# Altium PCB Jetson AGX Xavier Carrier Board.PcbDoc (part 2 of 4)
Units mil, origin at the board's own origin, x right, y up, seen from the top; angles counter-clockwise.
Board outline 6000 x 4000 mil, 10 copper layers (Top Layer, Int1 (GND), Int2 (PWR), Int3 (Sign), Int4 (GND, Int5 (GND), Int6 (Sign), Int7 (PWR), Int8 (GND), Bottom Layer), stack 61.78 mil thick; 553 components, 749 nets, 2510 pads, 297 vias.
Unrouted connection lines stored in the file: 1324.
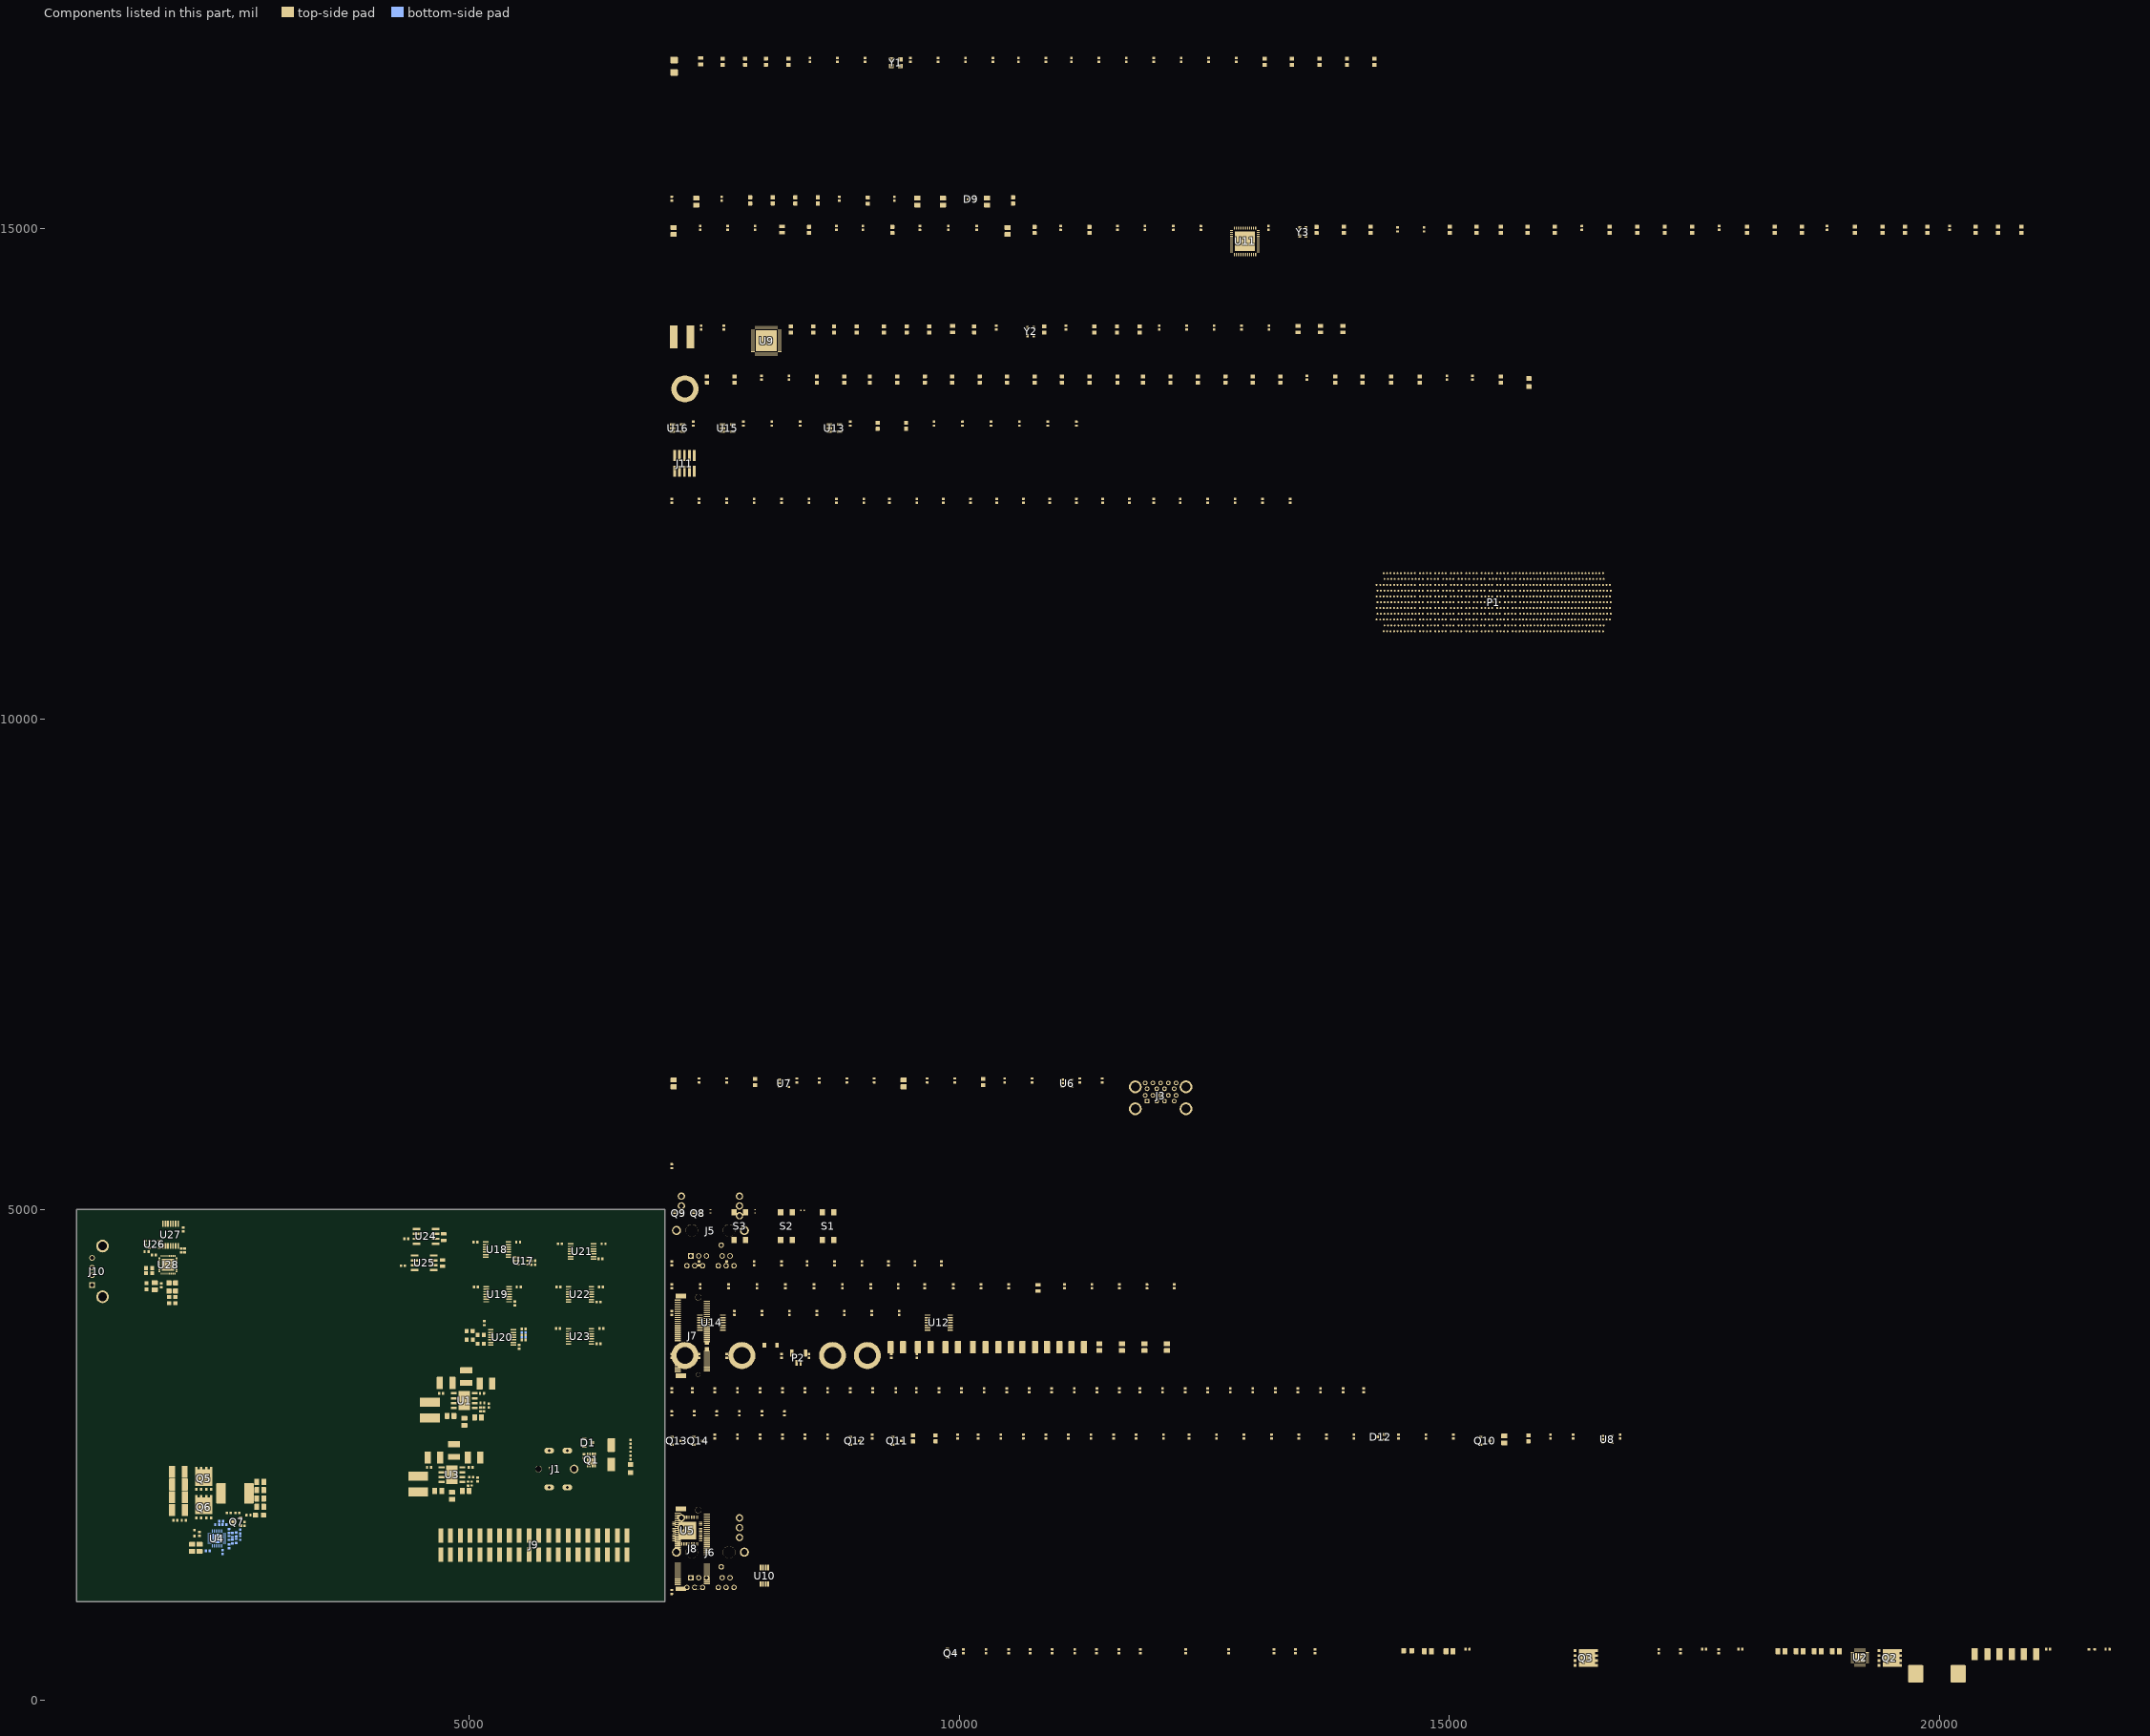
[diagram p10: the components of this part, seen from the top]

## Components (designator, comment, footprint, x,y, rotation, side; value= is the part's Value field where it differs from the comment) (continued)
R110 "RES_220Ω_0603" RES0603 15525,14955 r90 top value=220Ω
R111 "RES_0Ω_0603" RES0603 15275,14955 r90 top value=0Ω
R112 "RES_220Ω_0603" RES0603 15005,14955 r90 top value=220Ω
R113 "RES_10kΩ_0402_1%" RES0402 14470,14990 r90 top
R114 "RES_10kΩ_0402_1%" RES0402 14740,14990 r90 top
R115 "RES_10MΩ_0603" RES0603 14195,14955 r90 top value=10MΩ
R116 "RES_6.04kΩ_0603_1%" RES0603 13925,14955 r90 top value=6.04kΩ
R117 "RES_10kΩ_0402_1%" RES0402 9010,4450 r90 top
R118 "RES_10kΩ_0402_1%" RES0402 9280,4450 r90 top
R119 "RES_10kΩ_0402_1%" RES0402 9550,4450 r90 top
R120 "RES_10kΩ_0402_1%" RES0402 9820,4450 r90 top
R121 "RES_10kΩ_0402_1%" RES0402 8190,4450 r90 top
R122 "RES_10kΩ_0402_1%" RES0402 8450,4450 r90 top
R123 "RES_10kΩ_0402_1%" RES0402 8730,4450 r90 top
R124 "RES_10kΩ_0402_1%" RES0402 7910,4450 r90 top
R125 "RES_10kΩ_0402_1%" RES0402 7070,4450 r90 top
R126 "RES_10kΩ_0402_1%" RES0402 7350,4450 r90 top
R127 "RES_10kΩ_0402_1%" RES0402 7630,4450 r90 top
R128 "RES_10kΩ_0402" RES0805 8195,14990 r90 top
R129 "RES_1kΩ_0402_1%" RES0402 7360,15005 r90 top value=1kΩ
R130 "RES_1kΩ_0402_1%" RES0402 7640,15005 r90 top value=1kΩ
R131 "RES_1kΩ_0402_1%" RES0402 7920,15005 r90 top value=1kΩ
R132 "RES_10kΩ_0402_1%" RES0402 9390,3945 r90 top
R133 "RES_10kΩ_0402_1%" RES0402 8270,3945 r90 top
R134 "RES_10kΩ_0402_1%" RES0402 8550,3945 r90 top
R135 "RES_10kΩ_0402_1%" RES0402 8830,3945 r90 top
R136 "RES_10kΩ_0402_1%" RES0402 9110,3945 r90 top
R137 "RES_10kΩ_0402_1%" RES0402 7990,3945 r90 top
R138 "RES_10kΩ_0402_1%" RES0402 7710,3945 r90 top
R139 "RES_10kΩ_0402_1%" RES0402 7070,3945 r90 top
R140 "RES_220Ω_0603" RES0603 15525,13430 r90 top value=220Ω
R141 "RES_10kΩ_0402_1%" RES0402 14975,13480 r90 top value=10kΩ
R142 "RES_10kΩ_0402_1%" RES0402 15235,13480 r90 top value=10kΩ
R143 "RES_0Ω_0603" RES0603 13835,13430 r90 top value=0Ω
R144 "RES_10kΩ_0402_1%" RES0402 13545,13480 r90 top value=10kΩ
R145 "RES_0Ω_0603" RES0603 13275,13430 r90 top value=0Ω
R146 "RES_0Ω_0603" RES0603 12995,13430 r90 top value=0Ω
R147 "RES_0Ω_0603" RES0603 12715,13430 r90 top value=0Ω
R148 "RES_0Ω_0603" RES0603 12435,13430 r90 top value=0Ω
R149 "RES_0Ω_0603" RES0603 12155,13430 r90 top value=0Ω
R150 "RES_0Ω_0603" RES0603 11875,13430 r90 top value=0Ω
R151 "RES_0Ω_0603" RES0603 11615,13430 r90 top value=0Ω
R152 "RES_0Ω_0603" RES0603 11330,13430 r90 top value=0Ω
R153 "RES_0Ω_0603" RES0603 11050,13430 r90 top value=0Ω
R154 "RES_0Ω_0603" RES0603 10770,13430 r90 top value=0Ω
R155 "RES_0Ω_0603" RES0603 10490,13430 r90 top value=0Ω
R156 "RES_0Ω_0603" RES0603 10210,13430 r90 top value=0Ω
R157 "RES_0Ω_0603" RES0603 9930,13430 r90 top value=0Ω
R158 "RES_0Ω_0603" RES0603 9650,13430 r90 top value=0Ω
R159 "RES_0Ω_0603" RES0603 9370,13430 r90 top value=0Ω
R160 "RES_0Ω_0603" RES0603 9090,13430 r90 top value=0Ω
R161 "RES_0Ω_0603" RES0603 8830,13430 r90 top value=0Ω
R162 "RES_0Ω_0603" RES0603 8550,13430 r90 top value=0Ω
R163 "RES_10kΩ_0402_1%" RES0402 7985,13480 r90 top value=10kΩ
R164 "RES_10kΩ_0402_1%" RES0402 8265,13480 r90 top value=10kΩ
R165 "RES_0Ω_0603" RES0603 7710,13430 r90 top value=0Ω
R166 "RES_0Ω_0603" RES0603 7430,13430 r90 top value=0Ω
R167 "RES_10kΩ_0402_1%" RES0402 5465,4495 r270 top
R168 "RES_10kΩ_0402_1%" RES0402 5470,4039.68 r270 top value=10kΩ
R169 "RES_10kΩ_0402_1%" RES0402 5515,3599.68 r270 top value=10kΩ
R170 "RES_2.2kΩ_0402_5%" RES0402 5559.69,3745 r0 bottom value=2.2kΩ
R171 "RES_2.2kΩ_0402_5%" RES0402 5560,3720 r0 top value=2.2kΩ
R172 "RES_2.2kΩ_0402_5%" RES0402 5560,3695 r0 bottom value=2.2kΩ
R173 "RES_2.2kΩ_0402_5%" RES0402 5560.31,3670 r0 top value=2.2kΩ
R174 "RES_0Ω_0603" RES0603 4977.01,3760 r0 top value=0Ω
R175 "RES_0Ω_0603" RES0603 5092.01,3720 r0 top value=0Ω
R176 "RES_0Ω_0603" RES0603 4980,3670 r0 top value=0Ω
R177 "RES_0Ω_0603" RES0603 5092.01,3630 r0 top value=0Ω
R178 "RES_10kΩ_0402_1%" RES0402 6345,4495 r0 top value=10kΩ
R179 "RES_10kΩ_0402_1%" RES0402 6324.69,4055 r0 top value=10kΩ
R180 "RES_10kΩ_0402_1%" RES0402 6325.31,3630 r0 top value=10kΩ
R181 "RES_120Ω_0805_1%" RES0805 4745,4717.48 r90 top value=120Ω
R182 "RES_120Ω_0805_1%" RES0805 4735,4452.48 r90 top value=120Ω
R183 "RES_10kΩ_0402_1%" RES0402 1789.68,4535 r180 top
R184 "RES_0Ω_0603" RES0603 1712.01,4350 r0 top value=0Ω
R185 "RES_220Ω_0603" RES0603 2010,4105 r270 top value=220Ω
R186 "RES_220Ω_0603" RES0603 1945,4105 r270 top value=220Ω
R187 "RES_0Ω_0603" RES0603 1712.01,4400 r0 top value=0Ω
R188 "RES_10kΩ_0402_1%" RES0402 8470,3505 r90 top
R189 "RES_10kΩ_0402_1%" RES0402 8750,3505 r90 top
R190 "RES_10kΩ_0402_1%" RES0402 9030,3505 r90 top
R191 "RES_10kΩ_0402_1%" RES0402 9310,3505 r90 top
R192 "RES_10kΩ_0402_1%" RES0402 9570,3505 r90 top
R193 "RES_10kΩ_0402_1%" RES0402 7070,3505 r90 top
R194 "RES_10kΩ_0402_1%" RES0402 7350,3505 r90 top
R195 "RES_10kΩ_0402_1%" RES0402 7630,3505 r90 top
R196 "RES_10kΩ_0402_1%" RES0402 7910,3505 r90 top
R197 "RES_10kΩ_0402_1%" RES0402 8190,3505 r90 top
S1 "SW_TL3305A" SW_TL3305AF260QG 8665,4830 r0 top
S2 "SW_TL3305A" SW_TL3305AF260QG 8240,4830 r0 top
S3 "SW_TL3305A" SW_TL3305AF260QG 7765,4830 r0 top
U1 "TPS54339" VREG_LM5017MR/NOPB 4955,3050 r0 top
U2 "LM27403SQE/NOPB" QFN50P400X400X80-25N 19185,430.51 r0 top
U3 "TPS54339" VREG_LM5017MR/NOPB 4830,2295 r0 top
U4 "LM27403SQE/NOPB" QFN50P400X400X80-25N 2433.62,1644.21 r180 bottom
U5 "USB5744/2G" QFN40P700X700X100-57N 7230,1725 r0 top
U6 "AP2171DWG-7" AP2171DWG-7 11100,6285 r0 top
U7 "AP2171DWG-7" AP2171DWG-7 8215,6285 r0 top
U8 "AP2171DWG-7" AP2171DWG-7 16610,2655 r0 top
U9 "LAN7430-I/Y9X" LAN7430-I/Y9X-ND 8035,13855 r0 top
U10 "93AA66AT-I/MS" SOP65P490X110-8N 8015,1265 r90 top
U11 "KSZ9131RNXI" KSZ9131RNXI 12915,14870 r0 top
U12 "LSF0204QPWRQ1" 14-TSSOP 9795,3845 r0 top
U13 "IC_BUFFER" SOT23-5 8730,12965 r0 top
U14 "LSF0204QPWRQ1" 14-TSSOP 7475,3845 r0 top
U15 "IC_BUFFER" SOT23-5 7640,12965 r0 top
U16 "IC_BUFFER" SOT23-5 7130,12965 r0 top
U17 "TPS3808G33MDBVREP" TPS3808G33MDBVREP 5554.75,4475 r0 top
U18 "LSF0204QPWRQ1" 14-TSSOP 5290,4590 r0 top
U19 "LSF0204QPWRQ1" 14-TSSOP 5295,4135 r0 top
U20 "LSF0204QPWRQ1" 14-TSSOP 5340,3695 r0 top
U21 "LSF0204QPWRQ1" 14-TSSOP 6156.25,4571.18 r0 top
U22 "LSF0204QPWRQ1" 14-TSSOP 6133.75,4133.23 r0 top
U23 "LSF0204QPWRQ1" 14-TSSOP 6133.75,3705.59 r0 top
U24 "TCAN332DR" SOIC127P599X175-8N 4565,4725 r0 top
U25 "TCAN332DR" SOIC127P599X175-8N 4547.24,4455 r0 top
U26 "TPS3808G33MDBVREP" TPS3808G33MDBVREP 1795,4645 r180 top
U27 "LSF0204QPWRQ1" SOP65P640X120-14N 1960,4740 r270 top
U28 "FT232RQ-REEL" FT232RQ-REEL_FTD 1935,4435 r270 top
Y1 "CRYSTAL_25MHZ_20PF" XTAL_ECS-250-20-33-CKM-TR 9355,16690 r0 top
Y2 "ASTMLPD-18-25.000MHZ-LJ-E-T" ASTMLPE_ABR 10730,13950 r0 top value=25MHz
Y3 "ASTMLPD-18-25.000MHZ-LJ-E-T" ASTMLPE_ABR 13505,14965 r0 top value=25MHz

## Footprints (in the part's own frame and the unit in brackets; to place one, negate y for a bottom-side part, rotate by r counter-clockwise, add the part's x,y. Pads: shape width x height; smd on the part's side, far side on the other; paste and mask are expansions set on the pad)
14-TSSOP [mil]
  rect 55.5x14 smd paste+0 mask+0: 1(-116.25,76.77) 2(-116.25,51.18) 3(-116.25,25.59) 4(-116.25,0) 5(-116.25,-25.59) 6(-116.25,-51.18) 7(-116.25,-76.77) 8(116.25,-76.77) 9(116.25,-51.18) 10(116.25,-25.59) 11(116.25,0) 12(116.25,25.59) 13(116.25,51.18) 14(116.25,76.77)
  silkscreen extent -94,-106 164,106, body extent -138,-138 138,138, height 39
203456-0003 [mm]
  round 0.5 smd: A3(-28.6,-7.5) A4(-27.7,-7.5) A5(-26.8,-7.5) A6(-25.9,-7.5) A7(-25,-7.5) A8(-24.1,-7.5) A9(-23.2,-7.5) A10(-22.3,-7.5) A11(-21.4,-7.5) A12(-20.5,-7.5) A13(-19.2,-7.5) A14(-18.3,-7.5) A15(-17.4,-7.5) A16(-16.5,-7.5) A17(-15.2,-7.5) A18(-14.3,-7.5) A19(-13.4,-7.5) A20(-12.5,-7.5) A21(-11.2,-7.5) A22(-10.3,-7.5) A23(-9.4,-7.5) A24(-8.5,-7.5) A25(-7.2,-7.5) A26(-6.3,-7.5) A27(-5.4,-7.5) A28(-4.5,-7.5) A29(-3.2,-7.5) A30(-2.3,-7.5) A31(-1.4,-7.5) A32(-0.5,-7.5) A33(0.8,-7.5) A34(1.7,-7.5) A35(2.6,-7.5) A36(3.5,-7.5) A37(4.8,-7.5) A38(5.7,-7.5) A39(6.6,-7.5) A40(7.5,-7.5) A41(8.4,-7.5) A42(9.3,-7.5) A43(10.2,-7.5) A44(11.1,-7.5) A45(12,-7.5) A46(12.9,-7.5) A47(13.8,-7.5) A48(14.7,-7.5) A49(15.6,-7.5) A50(16.5,-7.5) A51(17.4,-7.5) A52(18.3,-7.5) A53(19.2,-7.5) A54(20.1,-7.5) A55(21,-7.5) A56(21.9,-7.5) A57(22.8,-7.5) A58(23.7,-7.5) A59(24.6,-7.5) A60(25.5,-7.5) A61(26.4,-7.5) A62(27.3,-7.5) A63(28.2,-7.5) B3(-28.4,-6) B4(-27.5,-6) B5(-26.6,-6) B6(-25.7,-6) B7(-24.8,-6) B8(-23.9,-6) B9(-23,-6) B10(-22.1,-6) B11(-21.2,-6) B12(-20.3,-6) B13(-19.4,-6) B14(-18.5,-6) B15(-17.2,-6) B16(-16.3,-6) B17(-15.4,-6) B18(-14.5,-6) B19(-13.2,-6) B20(-12.3,-6) B21(-11.4,-6) B22(-10.5,-6) B23(-9.2,-6) B24(-8.3,-6) B25(-7.4,-6) B26(-6.5,-6) B27(-5.2,-6) B28(-4.3,-6) B29(-3.4,-6) B30(-2.5,-6) B31(-1.2,-6) B32(-0.3,-6) B33(0.6,-6) B34(1.5,-6) B35(2.8,-6) B36(3.7,-6) B37(4.6,-6) B38(5.5,-6) B39(6.8,-6) B40(7.7,-6) B41(8.6,-6) B42(9.5,-6) B43(10.4,-6) B44(11.3,-6) B45(12.2,-6) B46(13.1,-6) B47(14,-6) B48(14.9,-6) B49(15.8,-6) B50(16.7,-6) B51(17.6,-6) B52(18.5,-6) B53(19.4,-6) B54(20.3,-6) B55(21.2,-6) B56(22.1,-6) B57(23,-6) B58(23.9,-6) B59(24.8,-6) B60(25.7,-6) B61(26.6,-6) B62(27.5,-6) B63(28.4,-6) C1(-30.4,-4.5) C2(-29.5,-4.5) C3(-28.6,-4.5) C4(-27.7,-4.5) C5(-26.8,-4.5) C6(-25.9,-4.5) C7(-25,-4.5) C8(-24.1,-4.5) C9(-23.2,-4.5) C10(-22.3,-4.5) C11(-21.4,-4.5) C12(-20.5,-4.5) C13(-19.2,-4.5) C14(-18.3,-4.5) C15(-17.4,-4.5) C16(-16.5,-4.5) C17(-15.2,-4.5) C18(-14.3,-4.5) C19(-13.4,-4.5) C20(-12.5,-4.5) C21(-11.2,-4.5) C22(-10.3,-4.5) C23(-9.4,-4.5) C24(-8.5,-4.5) C25(-7.2,-4.5) C26(-6.3,-4.5) C27(-5.4,-4.5) C28(-4.5,-4.5) C29(-3.2,-4.5) C30(-2.3,-4.5) C31(-1.4,-4.5) C32(-0.5,-4.5) C33(0.8,-4.5) C34(1.7,-4.5) C35(2.6,-4.5) C36(3.5,-4.5) C37(4.8,-4.5) C38(5.7,-4.5) C39(6.6,-4.5) C40(7.5,-4.5) C41(8.4,-4.5) C42(9.3,-4.5) C43(10.2,-4.5) C44(11.1,-4.5) C45(12,-4.5) C46(12.9,-4.5) C47(13.8,-4.5) C48(14.7,-4.5) C49(15.6,-4.5) C50(16.5,-4.5) C51(17.4,-4.5) C52(18.3,-4.5) C53(19.2,-4.5) C54(20.1,-4.5) C55(21,-4.5) C56(21.9,-4.5) C57(22.8,-4.5) C58(23.7,-4.5) C59(24.6,-4.5) C60(25.5,-4.5) C61(26.4,-4.5) C62(27.3,-4.5) C63(28.2,-4.5) C64(29.1,-4.5) C65(30,-4.5) D1(-30.2,-3) D2(-29.3,-3) D3(-28.4,-3) D4(-27.5,-3) D5(-26.6,-3) D6(-25.7,-3) D7(-24.8,-3) D8(-23.9,-3) D9(-23,-3) D10(-22.1,-3) D11(-21.2,-3) D12(-20.3,-3) D13(-19.4,-3) D14(-18.5,-3) D15(-17.2,-3) D16(-16.3,-3) D17(-15.4,-3) D18(-14.5,-3) D19(-13.2,-3) D20(-12.3,-3) D21(-11.4,-3) D22(-10.5,-3) D23(-9.2,-3) D24(-8.3,-3) D25(-7.4,-3) D26(-6.5,-3) D27(-5.2,-3) D28(-4.3,-3) D29(-3.4,-3) D30(-2.5,-3) D31(-1.2,-3) D32(-0.3,-3) D33(0.6,-3) D34(1.5,-3) D35(2.8,-3) D36(3.7,-3) D37(4.6,-3) D38(5.5,-3) D39(6.8,-3) D40(7.7,-3) D41(8.6,-3) D42(9.5,-3) D43(10.4,-3) D44(11.3,-3) D45(12.2,-3) D46(13.1,-3) D47(14,-3) D48(14.9,-3) D49(15.8,-3) D50(16.7,-3) D51(17.6,-3) D52(18.5,-3) D53(19.4,-3) D54(20.3,-3) D55(21.2,-3) D56(22.1,-3) D57(23,-3) D58(23.9,-3) D59(24.8,-3) D60(25.7,-3) D61(26.6,-3) D62(27.5,-3) D63(28.4,-3) D64(29.3,-3) D65(30.2,-3) E1(-30.4,-1.5) E2(-29.5,-1.5) E3(-28.6,-1.5) E4(-27.7,-1.5) E5(-26.8,-1.5) E6(-25.9,-1.5) E7(-25,-1.5) E8(-24.1,-1.5) E9(-23.2,-1.5) E10(-22.3,-1.5) E11(-21.4,-1.5) E12(-20.5,-1.5) E13(-19.2,-1.5) E14(-18.3,-1.5) E15(-17.4,-1.5) E16(-16.5,-1.5) E17(-15.2,-1.5) E18(-14.3,-1.5) E19(-13.4,-1.5) E20(-12.5,-1.5) E21(-11.2,-1.5) E22(-10.3,-1.5) E23(-9.4,-1.5) E24(-8.5,-1.5) E25(-7.2,-1.5) E26(-6.3,-1.5) E27(-5.4,-1.5) E28(-4.5,-1.5) E29(-3.2,-1.5) E30(-2.3,-1.5) E31(-1.4,-1.5) E32(-0.5,-1.5) E33(0.8,-1.5) E34(1.7,-1.5) E35(2.6,-1.5) E36(3.5,-1.5) E37(4.8,-1.5) E38(5.7,-1.5) E39(6.6,-1.5) E40(7.5,-1.5) E41(8.4,-1.5) E42(9.3,-1.5) E43(10.2,-1.5) E44(11.1,-1.5) E45(12,-1.5) E46(12.9,-1.5) E47(13.8,-1.5) E48(14.7,-1.5) E49(15.6,-1.5) E50(16.5,-1.5) E51(17.4,-1.5) E52(18.3,-1.5) E53(19.2,-1.5) E54(20.1,-1.5) E55(21,-1.5) E56(21.9,-1.5) E57(22.8,-1.5) E58(23.7,-1.5) E59(24.6,-1.5) E60(25.5,-1.5) E61(26.4,-1.5) E62(27.3,-1.5) E63(28.2,-1.5) E64(29.1,-1.5) E65(30,-1.5) F1(-30.2,0) F2(-29.3,0) F3(-28.4,0) F4(-27.5,0) F5(-26.6,0) F6(-25.7,0) F7(-24.8,0) F8(-23.9,0) F9(-23,0) F10(-22.1,0) F11(-21.2,0) F12(-20.3,0) F13(-19.4,0) F14(-18.5,0) F15(-17.2,0) F16(-16.3,0) F17(-15.4,0) F18(-14.5,0) F19(-13.2,0) F20(-12.3,0) F21(-11.4,0) F22(-10.5,0) F23(-9.2,0) F24(-8.3,0) F25(-7.4,0) F26(-6.5,0) F27(-5.2,0) F28(-4.3,0) F29(-3.4,0) F30(-2.5,0) F31(-1.2,0) F32(-0.3,0) F33(0.6,0) F34(1.5,0) F35(2.8,0) F36(3.7,0) F37(4.6,0) F38(5.5,0) F39(6.8,0) F40(7.7,0) F41(8.6,0) F42(9.5,0) F43(10.4,0) F44(11.3,0) F45(12.2,0) F46(13.1,0) F47(14,0) F48(14.9,0) F49(15.8,0) F50(16.7,0) F51(17.6,0) F52(18.5,0) F53(19.4,0) F54(20.3,0) F55(21.2,0) F56(22.1,0) F57(23,0) F58(23.9,0) F59(24.8,0) F60(25.7,0) F61(26.6,0) F62(27.5,0) F63(28.4,0) F64(29.3,0) F65(30.2,0) G1(-30.4,1.5) G2(-29.5,1.5) G3(-28.6,1.5) G4(-27.7,1.5) G5(-26.8,1.5) G6(-25.9,1.5) G7(-25,1.5) G8(-24.1,1.5) G9(-23.2,1.5) G10(-22.3,1.5) G11(-21.4,1.5) G12(-20.5,1.5) G13(-19.2,1.5) G14(-18.3,1.5) G15(-17.4,1.5) G16(-16.5,1.5) G17(-15.2,1.5) G18(-14.3,1.5) G19(-13.4,1.5) G20(-12.5,1.5) G21(-11.2,1.5) G22(-10.3,1.5) G23(-9.4,1.5) G24(-8.5,1.5) G25(-7.2,1.5) G26(-6.3,1.5) G27(-5.4,1.5) G28(-4.5,1.5) G29(-3.2,1.5) G30(-2.3,1.5) G31(-1.4,1.5) G32(-0.5,1.5) G33(0.8,1.5) G34(1.7,1.5) G35(2.6,1.5) G36(3.5,1.5) G37(4.8,1.5) G38(5.7,1.5) G39(6.6,1.5) G40(7.5,1.5) G41(8.4,1.5) G42(9.3,1.5) G43(10.2,1.5) G44(11.1,1.5) G45(12,1.5) G46(12.9,1.5) G47(13.8,1.5) G48(14.7,1.5) G49(15.6,1.5) G50(16.5,1.5) G51(17.4,1.5) G52(18.3,1.5) G53(19.2,1.5) G54(20.1,1.5) G55(21,1.5) G56(21.9,1.5) G57(22.8,1.5) G58(23.7,1.5) G59(24.6,1.5) G60(25.5,1.5) G61(26.4,1.5) G62(27.3,1.5) G63(28.2,1.5) G64(29.1,1.5) G65(30,1.5) H1(-30.2,3) H2(-29.3,3) H3(-28.4,3) H4(-27.5,3) H5(-26.6,3) H6(-25.7,3) H7(-24.8,3) H8(-23.9,3) H9(-23,3) H10(-22.1,3) H11(-21.2,3) H12(-20.3,3) H13(-19.4,3) H14(-18.5,3) H15(-17.2,3) H16(-16.3,3) H17(-15.4,3) H18(-14.5,3) H19(-13.2,3) H20(-12.3,3) H21(-11.4,3) H22(-10.5,3) H23(-9.2,3) H24(-8.3,3) H25(-7.4,3) H26(-6.5,3) H27(-5.2,3) H28(-4.3,3) H29(-3.4,3) H30(-2.5,3) H31(-1.2,3) H32(-0.3,3) H33(0.6,3) H34(1.5,3) H35(2.8,3) H36(3.7,3) H37(4.6,3) H38(5.5,3) H39(6.8,3) H40(7.7,3) H41(8.6,3) H42(9.5,3) H43(10.4,3) H44(11.3,3) H45(12.2,3) H46(13.1,3) H47(14,3) H48(14.9,3) H49(15.8,3) H50(16.7,3) H51(17.6,3) H52(18.5,3) H53(19.4,3) H54(20.3,3) H55(21.2,3) H56(22.1,3) H57(23,3) H58(23.9,3) H59(24.8,3) H60(25.7,3) H61(26.6,3) H62(27.5,3) H63(28.4,3) H64(29.3,3) H65(30.2,3) J1(-30.4,4.5) J2(-29.5,4.5) J3(-28.6,4.5) J4(-27.7,4.5) J5(-26.8,4.5) J6(-25.9,4.5) J7(-25,4.5) J8(-24.1,4.5) J9(-23.2,4.5) J10(-22.3,4.5) J11(-21.4,4.5) J12(-20.5,4.5) J13(-19.2,4.5) J14(-18.3,4.5) J15(-17.4,4.5) J16(-16.5,4.5) J17(-15.2,4.5) J18(-14.3,4.5) J19(-13.4,4.5) J20(-12.5,4.5) J21(-11.2,4.5) J22(-10.3,4.5) J23(-9.4,4.5) J24(-8.5,4.5) J25(-7.2,4.5) J26(-6.3,4.5) J27(-5.4,4.5) J28(-4.5,4.5) J29(-3.2,4.5) J30(-2.3,4.5) J31(-1.4,4.5) J32(-0.5,4.5) J33(0.8,4.5) J34(1.7,4.5) J35(2.6,4.5) J36(3.5,4.5) J37(4.8,4.5) J38(5.7,4.5) J39(6.6,4.5) J40(7.5,4.5) J41(8.4,4.5) J42(9.3,4.5) J43(10.2,4.5) J44(11.1,4.5) J45(12,4.5) J46(12.9,4.5) J47(13.8,4.5) J48(14.7,4.5) J49(15.6,4.5) J50(16.5,4.5) J51(17.4,4.5) J52(18.3,4.5) J53(19.2,4.5) J54(20.1,4.5) J55(21,4.5) J56(21.9,4.5) J57(22.8,4.5) J58(23.7,4.5) J59(24.6,4.5) J60(25.5,4.5) J61(26.4,4.5) J62(27.3,4.5) J63(28.2,4.5) J64(29.1,4.5) J65(30,4.5) K3(-28.4,6) K4(-27.5,6) K5(-26.6,6) K6(-25.7,6) K7(-24.8,6) K8(-23.9,6) K9(-23,6) K10(-22.1,6) K11(-21.2,6) K12(-20.3,6) K13(-19.4,6) K14(-18.5,6) K15(-17.2,6) K16(-16.3,6) K17(-15.4,6) K18(-14.5,6) K19(-13.2,6) K20(-12.3,6) K21(-11.4,6) K22(-10.5,6) K23(-9.2,6) K24(-8.3,6) K25(-7.4,6) K26(-6.5,6) K27(-5.2,6) K28(-4.3,6) K29(-3.4,6) K30(-2.5,6) K31(-1.2,6) K32(-0.3,6) K33(0.6,6) K34(1.5,6) K35(2.8,6) K36(3.7,6) K37(4.6,6) K38(5.5,6) K39(6.8,6) K40(7.7,6) K41(8.6,6) K42(9.5,6) K43(10.4,6) K44(11.3,6) K45(12.2,6) K46(13.1,6) K47(14,6) K48(14.9,6) K49(15.8,6) K50(16.7,6) K51(17.6,6) K52(18.5,6) K53(19.4,6) K54(20.3,6) K55(21.2,6) K56(22.1,6) K57(23,6) K58(23.9,6) K59(24.8,6) K60(25.7,6) K61(26.6,6) K62(27.5,6) K63(28.4,6) L3(-28.6,7.5) L4(-27.7,7.5) L5(-26.8,7.5) L6(-25.9,7.5) L7(-25,7.5) L8(-24.1,7.5) L9(-23.2,7.5) L10(-22.3,7.5) L11(-21.4,7.5) L12(-20.5,7.5) L13(-19.2,7.5) L14(-18.3,7.5) L15(-17.4,7.5) L16(-16.5,7.5) L17(-15.2,7.5) L18(-14.3,7.5) L19(-13.4,7.5) L20(-12.5,7.5) L21(-11.2,7.5) L22(-10.3,7.5) L23(-9.4,7.5) L24(-8.5,7.5) L25(-7.2,7.5) L26(-6.3,7.5) L27(-5.4,7.5) L28(-4.5,7.5) L29(-3.2,7.5) L30(-2.3,7.5) L31(-1.4,7.5) L32(-0.5,7.5) L33(0.8,7.5) L34(1.7,7.5) L35(2.6,7.5) L36(3.5,7.5) L37(4.8,7.5) L38(5.7,7.5) L39(6.6,7.5) L40(7.5,7.5) L41(8.4,7.5) L42(9.3,7.5) L43(10.2,7.5) L44(11.1,7.5) L45(12,7.5) L46(12.9,7.5) L47(13.8,7.5) L48(14.7,7.5) L49(15.6,7.5) L50(16.5,7.5) L51(17.4,7.5) L52(18.3,7.5) L53(19.2,7.5) L54(20.1,7.5) L55(21,7.5) L56(21.9,7.5) L57(22.8,7.5) L58(23.7,7.5) L59(24.6,7.5) L60(25.5,7.5) L61(26.4,7.5) L62(27.3,7.5) L63(28.2,7.5)